# Altium PCB Main_conection.PcbDoc (part 1 of 2) (continued)
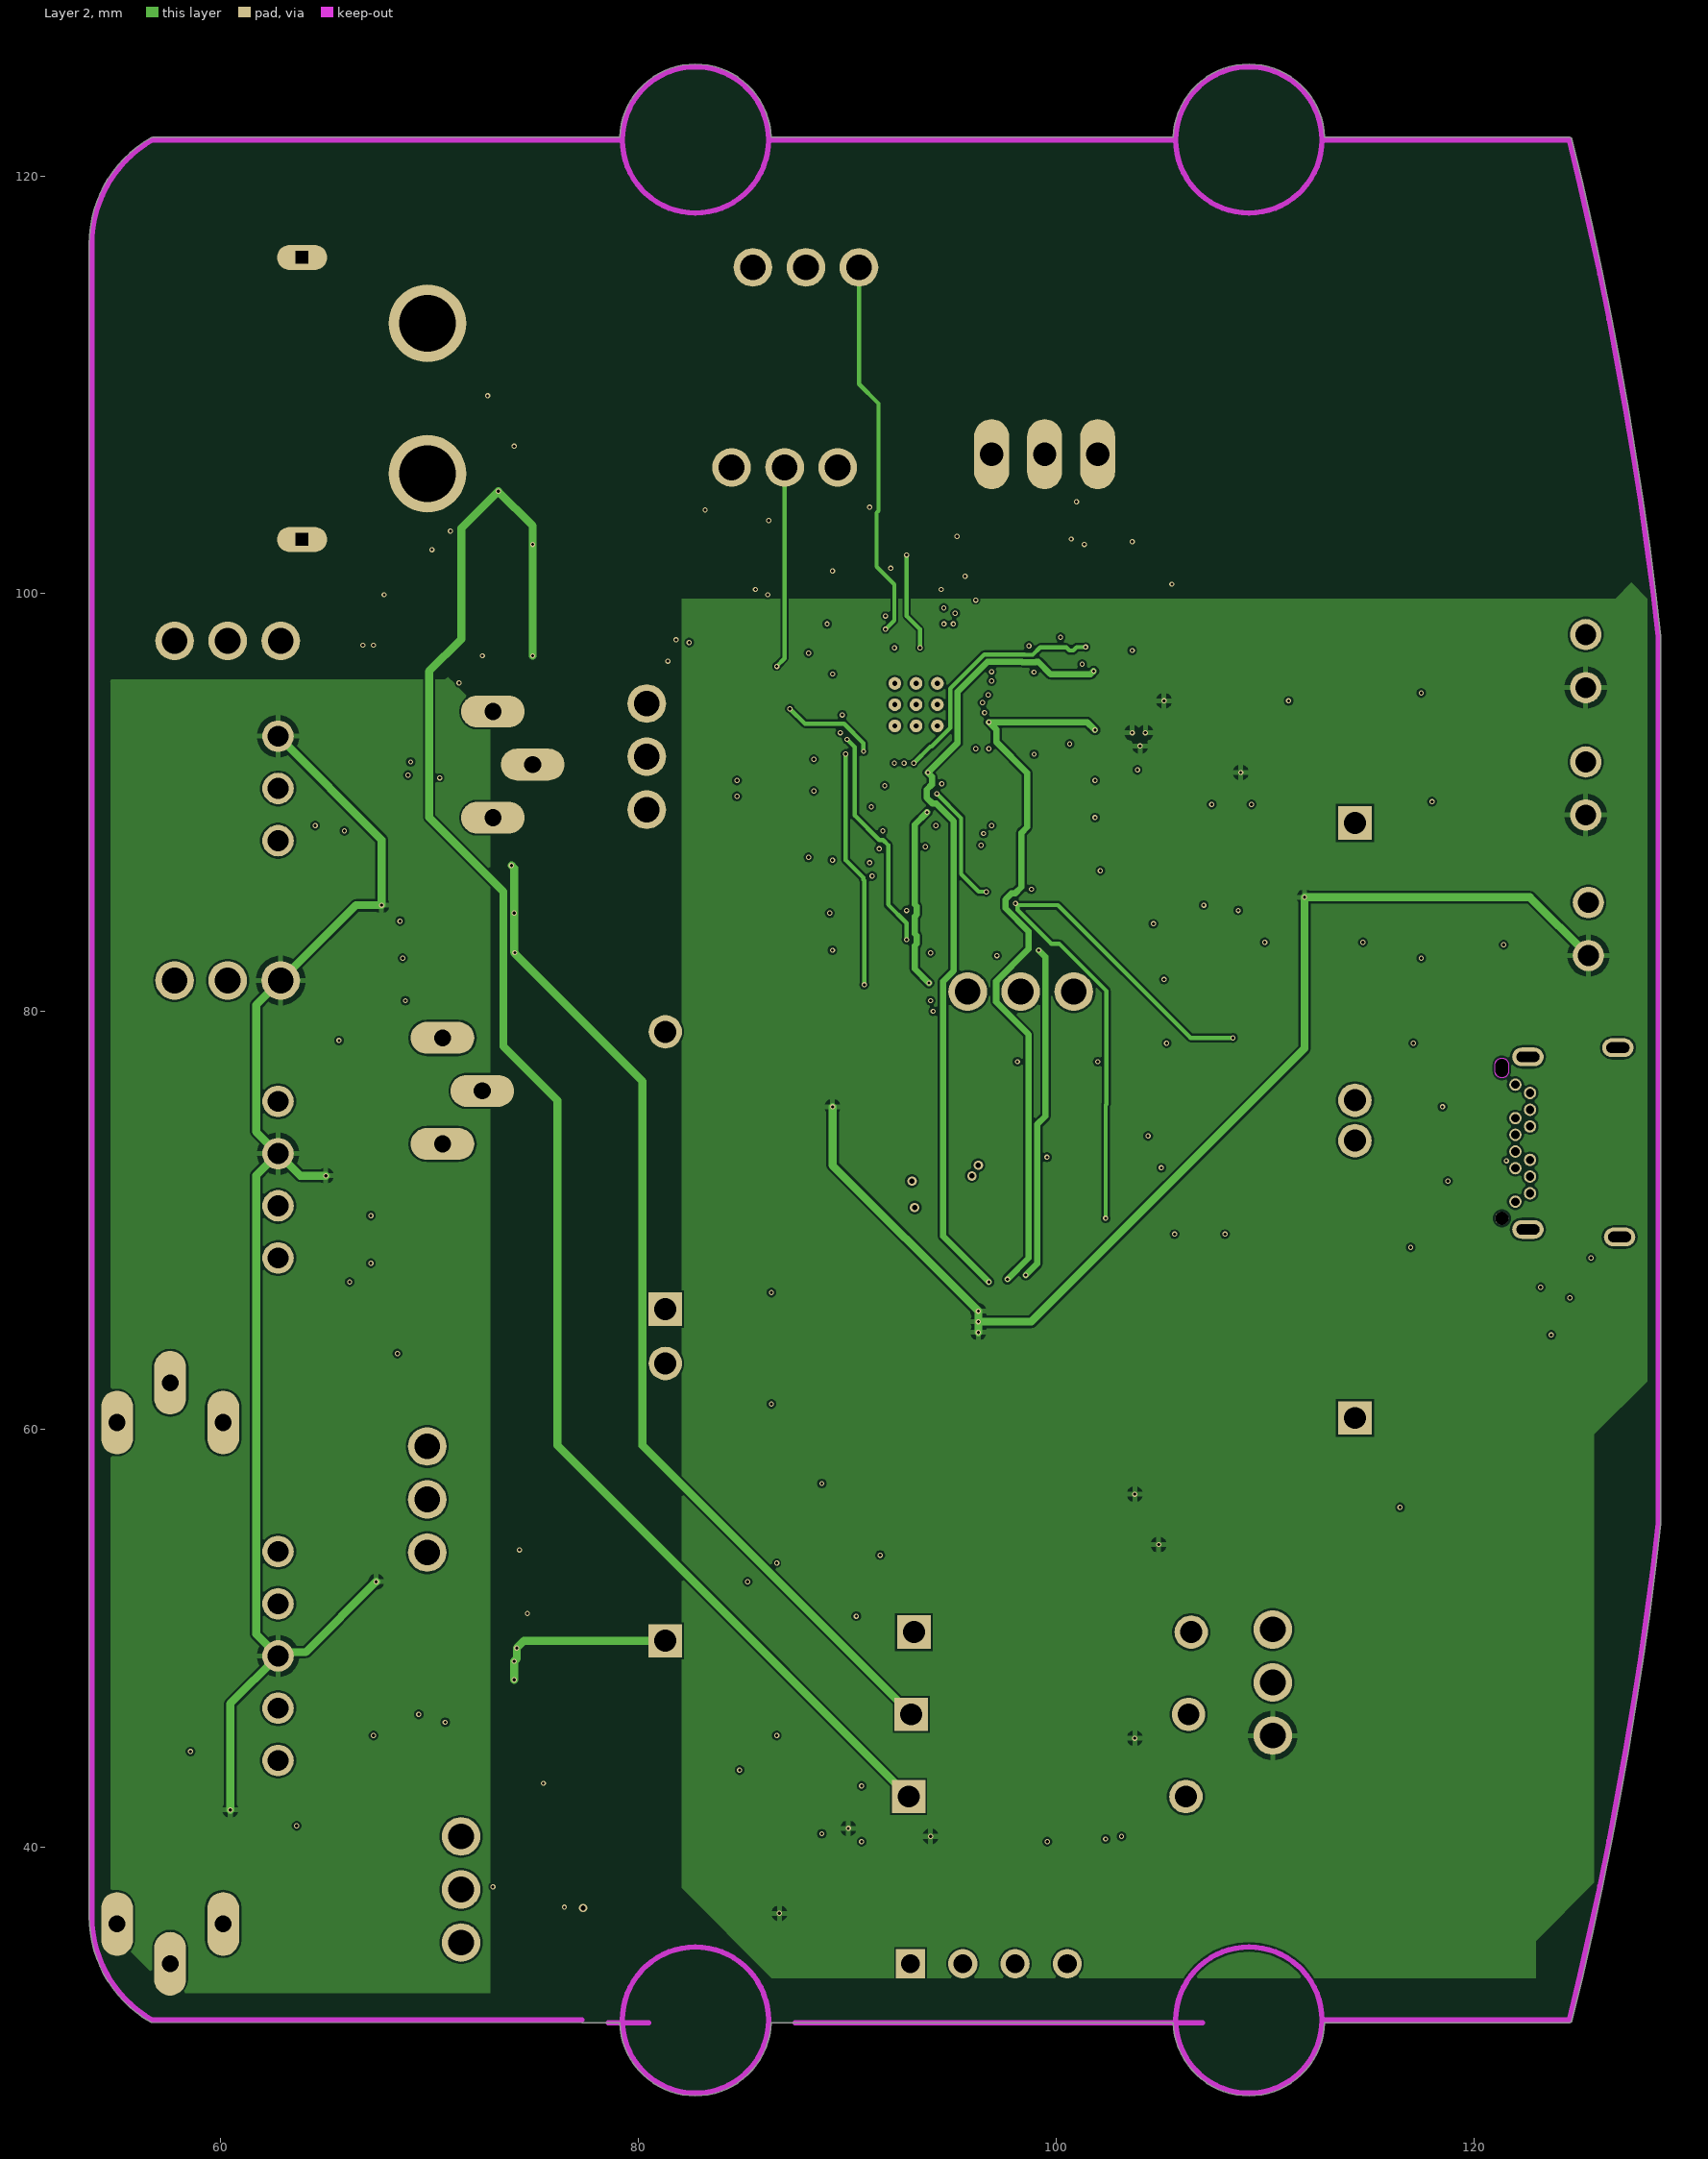
[diagram p3: Layer 2]
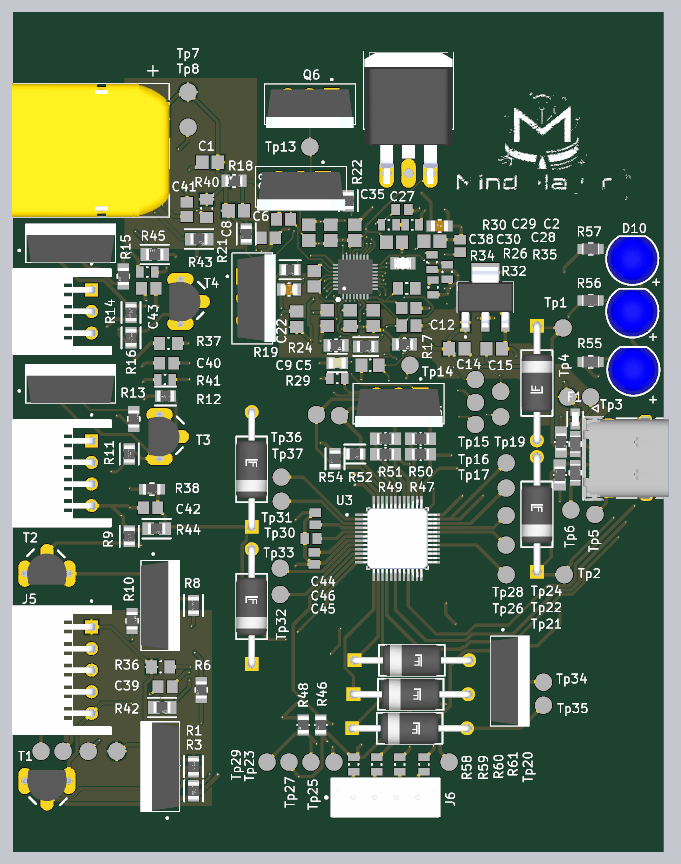
[diagram p5: 3D render of the assembled board from above, using the file's embedded part models]

## Layer stack, top to bottom
Top Solder: solder mask 0.0127, Solder Resist, Dk 3.8
Top Layer: signal copper 0.035
Dielectric 2: prepreg 0.2, 7628, Dk 4.6
Layer 1: signal copper 0.0175
Dielectric 1: dielectric 1.065, FR-4, Dk 4.5
Layer 2: signal copper 0.0175
Dielectric 3: prepreg 0.2, 7628, Dk 4.6
Bottom Layer: signal copper 0.035
Bottom Solder: solder mask 0.0127, Solder Resist, Dk 3.8

## Board outline
56.659,31.612 77.291,31.595 79.096,31.595 ccw(c82.721,31.722) 86.346,31.595 105.596,31.595 ccw(c109.221,31.722) 112.846,31.595 124.565,31.595 ccw(c124.565,31.722) 124.689,31.692 ccw(c-58.279,76.722) 128.948,55.483 128.949,55.498 128.949,97.947 128.948,97.961 ccw(c-58.279,76.722) 124.689,121.753 ccw(c124.565,121.722) 124.565,121.85 112.846,121.85 ccw(c109.221,121.722) 105.596,121.85 86.346,121.85 ccw(c82.721,121.722) 79.096,121.85 77.291,121.85 56.721,121.85 56.658,121.833 ccw(c59.566,116.732) 53.694,116.732 53.694,36.698 ccw(c59.54,36.698)

## Design rules (kind name [scope] priority, off if disabled: settings)
Clearance [All] p1: gap=0.1 ignorepadtopadclearanceinfootprint=FALSE
HoleSize [All] p1: absolutevalues=TRUE maxlimit=6.33 minlimit=0.025 maxpercent=80.000 minpercent=20.000
HoleToHoleClearance [All] p1: gap=0.2 allowstackedmicrovias=TRUE
MinimumSolderMaskSliver [All] p1: minsoldermaskwidth=0.1
PolygonConnect [All] p1: connectstyle=Relief reliefconductorwidth=0.254 reliefentries=4 polygonreliefangle="90 Angle" airgapwidth=0.254
RoutingVias [All] p1: holewidth=0.2 width=0.5 viastyle="Through Hole" minholewidth=0.15 minwidth=0.25 maxholewidth=0.15 maxwidth=0.25
SilkToSilkClearance [All] p1: silktosilkclearance=0.15
SilkToSolderMaskClearance [IsPad] p1: minsilkscreentomaskgap=0.15 clearancetoexposedcopper=TRUE
SolderMaskExpansion [All] p1: expansion=0.102 istentingtop=FALSE
SupplyNets "Schematic Supply Nets_4" [InNet('VBUS')] p1: voltage=0.000
SupplyNets "Schematic Supply Nets_3" [InNet('GND')] p2: voltage=0.000
SupplyNets "Schematic Supply Nets_2" [InNet('3.3V')] p3: voltage=0.000
SupplyNets "Schematic Supply Nets_1" [InNet('BAT')] p4: voltage=0.000
SupplyNets "Schematic Supply Nets" [InNet('VSYS')] p5: voltage=0.000
UnRoutedNet [All] p1: checkbadconnections=TRUE
Width [All] p1: maxlimit=1816.048 minlimit=0.102 preferedwidth=0.102
24 further rules are at their usual default settings.

## Classes and differential pairs
component class U_Power: C1 C2 C3 C5 C6 C7 C8 C9 C10 C11 C12 C13 C14 C15 C16 C17 C18 C19 C20 C21 C22 C23 C24 C25 C26 C27 C28 C29 C30 C31 C32 C33 C34 C35 C36 C37 C38 L1 Q5 Q6 Q7 Q8 Q9 R17 R18 R19 R20 R21 R22 R23 R24 R25 R26 R27 R28 R29 R30 R31 R32 R33 R34 R35 S Tp13 Tp14 Tp15 Tp16 Tp17 Tp18 Tp19 U1 U2
component class U_Microcontroller: C39 C40 C41 C42 C43 C44 C45 C46 D3 D4 D5 D6 D7 D8 D9 D10 J6 Q10 R36 R37 R38 R39 R40 R41 R42 R43 R44 R45 R46 R47 R48 R49 R50 R51 R52 R53 R54 R55 R56 R57 R58 R59 R60 R61 Tp20 Tp21 Tp22 Tp23 Tp24 Tp25 Tp26 Tp27 Tp28 Tp29 Tp30 Tp31 Tp32 Tp33 Tp34 Tp35 Tp36 Tp37 U3
component class U_Connectors_U_B: D1 D2 F1 J1 J2 J3 J4 J5 Q1 Q2 Q3 Q4 R1 R2 R3 R4 R5 R6 R7 R8 R9 R10 R11 R12 R13 R14 R15 R16 T1 T2 T3 T4 Tp1 Tp2 Tp3 Tp4 Tp5 Tp6 Tp7 Tp8 Tp9 Tp10 Tp11 Tp12

## Components (designator, comment, footprint, x,y, rotation, side; value= is the part's Value field where it differs from the comment)
C1 "10uf 0805" CAPC2013X140X50ML20T25#1 76.454,107.95 r0 top
C2 "1uf 0805" FP-0805-L_2_01_0_2-W_1_25-MFG 103.038,100.584 r0 top
C3 "47nf 0805" FP-C0805C-DN-MFG 85.725,93.345 r0 bottom value="47,000 pF"
C5 "CAP 100nF 100V 0805(2012)" CAPC0805(2012)145_M 94.996,84.455 r0 top value=100nF
C6 "150pf" CAPC2013X145X48NL20T23 83.185,99.187 r180 top
C7 "150pf" CAPC2013X145X48NL20T23 84.963,101.346 r180 top
C8 "0.1uf 0805" CAPC2013X140X50ML20T25#1 79.502,102.362 r0 top
C9 "C0805C333J5JACTU" FP-C0805C-DN-MFG 91.186,84.709 r180 top value="33,000 pF"
C10 "C0805C333J5JACTU" FP-C0805C-DN-MFG 93.218,86.614 r180 bottom value="33,000 pF"
C11 "CC0805MKX5R8BB105" FP-CC0805-0_85-MFG 85.598,93.218 r180 top value="1 uF"
C12 "1uf 0805" CAPC2013X145X50NL20T20 99.482,89.027 r180 top
C13 "2.2uf 0805" CAPC2013X100X50ML20T25 88.519,94.488 r270 top
C14 "10uf 0805" CAPC2013X140X50ML20T25#2 105.04,86.36 r180 top
C15 "10uf 0805" CAPC2013X140X50ML20T25#2 109.358,86.36 r0 top
C16 "10uf 0805" CAPC2013X140X50ML20T25#2 107.072,91.567 r0 bottom
C17 "10uf 0805" CAPC2013X140X50ML20T25#2 108.712,93.599 r180 bottom
C18 "100pf 0805" CAPC2013X127X50NL20T25 99.482,91.059 r180 top
C19 "10uf 0805" CAPC2013X140X50ML20T25#2 86.36,89.789 r270 bottom
C20 "10uf 0805" CAPC2013X140X50ML20T25#2 86.487,89.789 r270 top
C21 "10uf 0805" CAPC2013X140X50ML20T25#2 90.043,89.916 r270 bottom
C22 "10uf 0805" CAPC2013X140X50ML20T25#2 90.043,89.916 r270 top
C23 "10uf 0805" CAPC2013X140X50ML20T25#2 92.71,89.916 r270 bottom
C24 "10uf 0805" CAPC2013X140X50ML20T25#2 92.71,89.916 r270 top
C25 "10uf 0805" CAPC2013X140X50ML20T25#2 95.377,89.916 r270 bottom
C26 "10uf 0805" CAPC2013X140X50ML20T25#2 95.377,89.916 r270 top
C27 "15pf 0805" CAPC2013X94X50LL20T25 98.679,102.489 r180 top
C28 "33pf 0805" CAPC2013X145X48LL20T23 105.41,98.261 r270 top
C29 "680pf 0805" CAPC0805(2012)145_L 99.863,100.711 r180 top value=680pF
C30 "1800pf 0805" CAPC2013X145X48ML20T23 102.149,98.806 r180 top
C31 "10uf 0805" CAPC2013X140X50ML20T25#3 87.884,99.822 r270 top
C32 "10uf 0805" CAPC2013X140X50ML20T25#2 87.884,99.822 r270 bottom
C33 "10uf 0805" CAPC2013X140X50ML20T25#3 90.424,99.822 r270 top
C34 "10uf 0805" CAPC2013X140X50ML20T25#2 90.551,99.695 r270 bottom
C35 "10uf 0805" CAPC2013X140X50ML20T25#3 93.218,99.822 r270 top
C36 "10uf 0805" CAPC2013X140X50ML20T25#2 93.218,99.695 r270 bottom
C37 "10uf 0805" CAPC2013X140X50ML20T25#2 97.917,98.679 r180 bottom
C38 "10uf 0805" CAPC2013X140X50ML20T25#3 97.79,98.679 r180 top
C39 "10uf 0805" CAPC2013X145X50NL20T20 71.247,47.244 r0 top
C40 "10uf 0805" CAPC2013X145X50NL20T20 71.422,84.709 r0 top
C41 "10uf 0805" CAPC2013X145X50NL20T20 73.787,102.489 r90 top
C42 "10uf 0805" CAPC2013X145X50NL20T20 69.575,67.945 r0 top
C43 "10uf 0805" CAPC2013X145X50NL20T20 69.362,93.345 r0 top
C44 "10uf" CAPC2013X145X50LL20T25 88.646,66.675 r270 top
C45 "10uf" CAPC2013X145X50LL20T25 88.519,62.103 r90 top
C46 "10uf" CAPC2013X145X50LL20T25 88.138,64.389 r0 top
D1 "P6KE6.8A" FP-P6KE-MFG 114.3,82.389 r270 top
D2 "P6KE6.8A" FP-P6KE-MFG 114.3,67.183 r90 top
D3 "P6KE6.8A" FP-P6KE-MFG 99.822,50.292 r0 top
D4 "P6KE6.8A" FP-P6KE-MFG 99.695,46.355 r0 top
D5 "P6KE6.8A" FP-P6KE-MFG 81.28,72.39 r90 top
D6 "P6KE6.8A" FP-P6KE-MFG 81.28,56.515 r90 top
D7 "P6KE6.8A" FP-P6KE-MFG 99.568,42.418 r0 top
D8 "15400594F3590" WL-TIRC_5mm 125.476,83.947 r90 top
D9 "15400594F3590" WL-TIRC_5mm 125.349,90.678 r90 top
D10 "15400594F3590" WL-TIRC_5mm 125.349,96.774 r90 top
F1 "F0603G0R05FNTR" FP-F0603G-MFG 118.745,78.232 r270 top value=3.4Ω
J1 "2171830001" MOLEX_2171830001 128.922,73.698 r90 top locked
J2 "S3B-XH-A" JST_S3B-XH-A 57.038,90.678 r270 top
J3 "XT60PW-M" AMASS_XT60PW-M 63.888,109.347 r270 top
J4 "S4B-XH-A" JST_S4B-XH-A 57.038,71.949 r270 top
J5 "S5B-XH-A" JST_S5B-XH-A 57.038,49.149 r270 top
J6 "B4B-EH-TS(LF)(SN)" FP-B4B-EH-TS_LF_SN-MFG 96.774,34.417 r0 top
L1 "LQM21PN2R2MCHD" FP-LQM21PN_CH-IPC_C 85.725,95.504 r0 top
Q1 "IRF9540N Q6" TO254P1041X444X1930-3 70.691,37.973 r90 top
Q2 "IRF9540N Q6" TO254P1041X444X1930-3 70.691,56.642 r270 top
Q3 "IRF9540N Q6" TO254P1041X444X1930-3 60.325,82.296 r0 top
Q4 "IRF9540N Q6" TO254P1041X444X1930-3 60.325,98.552 r0 top
Q5 "IRLZ44N" TO254P1054X469X1930-3 98.298,80.01 r180 top
Q6 "IRLZ44N" TO254P1054X469X1930-3 88.011,114.681 r180 top
Q7 "IRF4905" TO220BH 99.441,113.03 r0 top
Q8 "IRLZ44N" TO254P1054X469X1930-3 86.995,105.105 r180 top
Q9 "IRLZ44N" TO254P1054X469X1930-3 81.331,92.202 r270 top
Q10 "IRF9540N Q6" TO254P1041X444X1930-3 111.173,47.879 r270 top
R1 "CRGCQ0805J10K" FP-CRGCQ0805-IPC_C 74.549,37.973 r90 top value=10KΩ
R2 "0" FP-HCJ0805-MFG 117.094,75.565 r270 top
R3 "CRGCQ0805J10K" FP-CRGCQ0805-IPC_C 74.549,35.179 r270 top value=10KΩ
R4 "0" FP-HCJ0805-MFG 116.967,71.755 r90 top
R5 "AC0805JR-075K1L" FP-AC0805-MFG 118.745,75.311 r270 top value=5.1KΩ
R6 "RMCF0805JG47R0" FP-RMCF0805-MFG 75.438,46.863 r270 top
R7 "AC0805JR-075K1L" FP-AC0805-MFG 118.745,72.009 r90 top value=5.1KΩ
R8 "CRGCQ0805J10K" FP-CRGCQ0805-IPC_C 74.549,56.642 r270 top value=10KΩ
R9 "CRGCQ0805J10K" FP-CRGCQ0805-IPC_C 67.112,64.643 r270 top value=10KΩ
R10 "RMCF0805JG47R0" FP-RMCF0805-MFG 67.437,54.864 r90 top
R11 "CRGCQ0805J10K" FP-CRGCQ0805-IPC_C 67.112,74.168 r270 top value=10KΩ
R12 "CRGCQ0805J10K" FP-CRGCQ0805-IPC_C 71.3,80.899 r0 top value=10KΩ
R13 "RMCF0805JG47R0" FP-RMCF0805-MFG 67.635,78.232 r90 top
R14 "CRGCQ0805J10K" FP-CRGCQ0805-IPC_C 67.31,90.551 r270 top value=10KΩ
R15 "RMCF0805JG47R0" FP-RMCF0805-MFG 66.421,94.742 r270 top
R16 "CRGCQ0805J10K" FP-CRGCQ0805-IPC_C 67.31,87.63 r90 top value=10KΩ
R17 "0.01ohm C46634450" FP-CRCW0805-HPe3-MFG 98.974,86.868 r180 top
R18 "0.01ohm C46634450" FP-CRCW0805-HPe3-MFG 79.248,105.791 r0 top
R19 "4.99ohm 0805" FP-CRCW0805-HPe3-MFG 91.059,86.741 r180 top
R20 "4.99ohm 0805" FP-CRCW0805-HPe3-MFG 96.266,86.868 r0 bottom
R21 "RNCP0805FTD10R0" FP-RNCP0805-IPC_C 80.645,99.654 r90 top
R22 "RNCP0805FTD10R0" FP-RNCP0805-IPC_C 92.456,103.505 r90 top
R23 "RMCF0805FG10R0" FP-RMCF0805-IPC_B 88.392,94.464 r270 bottom
R24 "10ohm 0805" FP-RMCF0805-IPC_B 94.488,86.614 r0 top
R25 "10K 5% 0805(2012)" RESC0805(2012)_L 97.831,95.797 r270 bottom value="10000.00 Ohm"
R26 "CRCW0805402KFKEC" FP-CRCW0805-e3-IPC_B 98.782,96.266 r180 top
R27 "137k 0805" RESC2013X60X35ML10T20 99.228,93.345 r180 top
R28 "40.2k 0805" FP-ESR10-MFG 101.514,96.774 r0 bottom
R29 "10K 5% 0805" RESC0805(2012)_L 91.186,82.931 r0 top value="10000.00 Ohm"
R30 "10K 5% 0805" RESC0805(2012)_L 97.155,100.711 r180 top value="10000.00 Ohm"
R31 "0 ohm 0805" FP-HCJ0805-MFG 98.974,93.345 r180 bottom
R32 "10K 5% 0805" RESC0805(2012)_L 102.276,93.472 r270 top value="10000.00 Ohm"
R33 "10K 5% 0805" RESC0805(2012)_L 100.496,95.123 r0 bottom value="10000.00 Ohm"
R34 "10K 5% 0805" RESC0805(2012)_L 103.927,95.25 r270 top value="10000.00 Ohm"
R35 "10K 5% 0805" RESC0805(2012)_L 102.149,96.393 r270 top value="10000.00 Ohm"
R36 "5K36 1% 0805" RESC0805(2012)_M 70.739,49.53 r180 top value="5360.00 Ohm"
R37 "5K36 1% 0805" RESC0805(2012)_M 71.647,86.995 r180 top value="5360.00 Ohm"
R38 "3.57k 0805" FP-RT0805-MFG 69.723,70.104 r180 top value=357KΩ
R39 "1.2k 0805" FP-RMCF0805-IPC_A 70.064,97.282 r180 top
R40 "5K36 1% 0805" RESC0805(2012)_M 76.073,102.616 r90 top value="5360.00 Ohm"
R41 "3.6k 0805" RESC0805(2012)_L 71.247,82.804 r0 top value="3600.00 Ohm"
R42 "1.2k 0805" FP-RMCF0805-IPC_A 70.906,44.831 r0 top
R43 "1.2k 0805" FP-RMCF0805-IPC_A 75.184,99.06 r0 top
R44 "1.2k 0805" FP-RMCF0805-IPC_A 70.276,65.532 r0 top
R45 "3.6k 0805" RESC0805(2012)_L 69.187,95.25 r0 top value="3600.00 Ohm"
R46 "10k ohm 0805" FP-MCU0805-IPC_C 89.281,42.799 r270 top
R47 "0" FP-HCJ0805-MFG 100.838,74.168 r0 top
R48 "10k ohm 0805" FP-MCU0805-IPC_C 87.249,42.799 r270 top
R49 "0" FP-HCJ0805-MFG 96.774,74.168 r0 top
R50 "0" FP-HCJ0805-MFG 100.838,75.925 r180 top
R51 "0" FP-HCJ0805-MFG 96.774,75.925 r180 top
R52 "RNCP0805FTD12K4" FP-RNCP0805-IPC_C 93.218,74.168 r180 top
R53 "10k ohm 0805" FP-MCU0805-IPC_C 106.426,55.372 r270 bottom
R54 "RNCP0805FTD12K4" FP-RNCP0805-IPC_C 90.932,73.619 r90 top
R55 "AC0805FR-07220RL" FP-AC0805-MFG 120.523,84.836 r0 top value=220Ω
R56 "AC0805FR-07220RL" FP-AC0805-MFG 120.523,91.948 r0 top value=220Ω
R57 "AC0805FR-07220RL" FP-AC0805-MFG 120.523,97.917 r0 top value=220Ω
R58 "10K 5% 0805(2012)" RESC0805(2012)_L 93.091,38.227 r90 top value="10000.00 Ohm"
R59 "10K 5% 0805(2012)" RESC0805(2012)_L 95.758,38.227 r90 top value="10000.00 Ohm"
R60 "10K 5% 0805(2012)" RESC0805(2012)_L 98.425,38.227 r90 top value="10000.00 Ohm"
R61 "10K 5% 0805(2012)" RESC0805(2012)_L 101.219,38.227 r270 top value="10000.00 Ohm"
S "47nf 0805" FP-C0805C-DN-MFG 85.598,98.044 r90 bottom value="47,000 pF" (schematic designator C4)
T1 "2N7000" TO92 57.572,36.322 r180 top
T2 "2N7000" TO92 57.572,60.325 r0 top
T3 "2N7000" TO92 70.612,76.2 r270 top
T4 "2N7000" TO92 73.025,91.821 r270 top
Tp1 "TP" TP 117.348,88.773 r0 top
Tp2 "TP" TP 117.475,60.198 r0 top
Tp3 "TP" TP 120.523,80.772 r0 top
Tp4 "TP" TP 117.856,80.772 r0 top
Tp5 "TP" TP 121.031,67.183 r0 top
Tp6 "TP" TP 118.237,67.691 r0 top
Tp7 "TP" TP 73.914,116.078 r0 top
Tp8 "TP" TP 73.914,112.014 r0 top
Tp9 "TP" TP 65.659,39.751 r0 top
Tp10 "TP" TP 62.357,39.751 r90 top
Tp11 "TP" TP 59.436,39.751 r90 top
Tp12 "TP" TP 56.896,39.751 r90 top
Tp13 "TP" TP 88.011,109.728 r90 top
Tp14 "TP" TP 99.609,84.455 r90 top
Tp15 "TP" TP 107.188,82.804 r90 top
Tp16 "TP" TP 107.188,80.137 r90 top
Tp17 "TP" TP 107.188,77.597 r90 top
Tp18 "TP" TP 110.109,78.486 r90 top
Tp19 "TP" TP 110.109,81.407 r90 top
Tp20 "TP" TP 104.14,38.502 r90 top
Tp21 "TP" TP 110.744,60.198 r90 top
Tp22 "TP" TP 110.744,63.627 r90 top
Tp23 "TP" TP 90.805,38.502 r90 top
Tp24 "TP" TP 110.744,67.056 r90 top
Tp25 "TP" TP 88.138,38.502 r90 top
Tp26 "TP" TP 110.744,70.231 r90 top
Tp27 "TP" TP 85.598,38.502 r90 top
Tp28 "TP" TP 110.744,73.152 r90 top
Tp29 "TP" TP 83.058,38.502 r90 top
Tp30 "TP" TP 84.709,68.707 r90 top
Tp31 "TP" TP 84.709,71.501 r90 top
Tp32 "TP" TP 84.582,57.912 r90 top
Tp33 "TP" TP 84.582,60.96 r90 top
Tp34 "TP" TP 115.062,47.752 r90 top
Tp35 "TP" TP 115.062,45.085 r90 top
Tp36 "TP" TP 88.773,78.74 r90 top
Tp37 "TP" TP 91.44,78.613 r90 top
U1 "BQ25703ARSNR" BQ25703A_QFN-32 93.286,94.688 r90 top
U2 "LM2936MP-5.0" SOT230P700X180-4N 108.331,92.329 r90 top
U3 "STM32G071CBT6" QFP50P900X900X160-48N 98.171,64.389 r0 top

## Footprints (in the part's own frame and the unit in brackets; to place one, negate y for a bottom-side part, rotate by r counter-clockwise, add the part's x,y. Pads: shape width x height; smd on the part's side, far side on the other; paste and mask are expansions set on the pad)
AMASS_XT60PW-M [mm]
  rect 3.716x3.716 / inner round 3.716 / far side rect 3.716x3.716 hole 2.7 mask+0.102: 1(-3.6,6)
  round 3.716 hole 2.7 mask+0.102: 2(3.6,6)
  oval 1.2x2.4 hole 0.6 square mask+0.102: SH1(-6.75,0) SH2(6.75,0)
  silkscreen extent -9.8,-10.35 7.75,7.85, body extent -7.75,-10.35 7.75,7.85, height 8.4
BQ25703A_QFN-32 [mm]
  oval 1x0.2 smd mask-2539.97: 1(-2.1,1.4) 2(-2.1,1) 3(-2.1,0.6) 4(-2.1,0.2) 5(-2.1,-0.2) 6(-2.1,-0.6) 7(-2.1,-1) 8(-2.1,-1.4) 17(2.1,-1.4) 18(2.1,-1) 19(2.1,-0.6) 20(2.1,-0.2) 21(2.1,0.2) 22(2.1,0.6) 23(2.1,1) 24(2.1,1.4)
  oval 0.2x1 smd mask-2539.97: 9(-1.4,-2.1) 10(-1,-2.1) 11(-0.6,-2.1) 12(-0.2,-2.1) 13(0.2,-2.1) 14(0.6,-2.1) 15(1,-2.1) 16(1.4,-2.1) 25(1.4,2.1) 26(1,2.1) 27(0.6,2.1) 28(0.2,2.1) 29(-0.2,2.1) 30(-0.6,2.1) 31(-1,2.1) 32(-1.4,2.1)
  rect 2.8x2.8 smd paste-2 mask+0.05: GND(0,0)
  rect 2.8x2.8 smd far side paste-2 mask+0: GND1(0,0)
  round 0.61 hole 0.25 mask+0: P$1(-1.016,1.016) P$2(0,1.016) P$3(1.016,1.016) P$4(-1.016,-1.016) P$5(1.016,-1.016) P$6(0,-1.016) P$7(0,0) P$8(1.016,0) P$9(-1.016,0)
  silkscreen extent -2.72,1.9 -2.53,2.1, body extent -2,-2 2,2, height 0.8
CAPC0805(2012)145_L [mm] "Chip Capacitor, Body 2.0x1.2mm, Height 1.45mm, IPC High Density"
  rect 0.9x1.3 smd: 1(-0.8,0) 2(0.8,0)
  silkscreen extent -0.05,-0.58 0.05,0.58, body extent -1.1,-0.72 1.1,0.72, height 1.45
CAPC0805(2012)145_M [mm] "Chip Capacitor, Body 2.0x1.2mm, Height 1.45mm, IPC Low Density"
  rect 1.35x1.55 smd: 1(-1,0) 2(1,0)
  silkscreen extent -0.05,-0.67 0.05,0.67, body extent -1.1,-0.72 1.1,0.72, height 1.45
CAPC2013X94X50LL20T25 [mm] "Chip Capacitor, 2-Leads, Body 2.01x1.25mm, IPC High Density"
  rect 1x1.3 smd: 1(-0.725,0) 2(0.725,0)
  body extent -1.1,-0.72 1.1,0.72, height 0.94
CAPC2013X100X50ML20T25 [mm] "Chip Capacitor, 2-Leads, Body 2.00x1.25mm, IPC Low Density"
  rect 1.4x1.55 smd: 1(-0.9,0) 2(0.9,0)
  body extent -1.1,-0.72 1.1,0.72, height 1
CAPC2013X127X50NL20T25 [mm] "Chip Capacitor, 2-Leads, Body 2.01x1.25mm, IPC Medium Density"
  rect 1.3x1.4 smd: 1(-0.825,0) 2(0.825,0)
  body extent -1.1,-0.72 1.11,0.72, height 1.27
CAPC2013X140X50ML20T25#1 [mm] "Chip Capacitor, 2-Leads, Body 2.00x1.25mm, IPC Low Density"
  rect 1.5x1.55 smd: 1(-0.9,0)
  rect 1.4x1.55 smd: 2(0.9,0)
  body extent -1.1,-0.72 1.1,0.72, height 1.4
CAPC2013X140X50ML20T25#2 [mm] "Chip Capacitor, 2-Leads, Body 2.00x1.25mm, IPC Low Density"
  rect 1.4x1.55 smd: 1(-0.9,0) 2(0.9,0)
  body extent -1.1,-0.72 1.1,0.72, height 1.4
CAPC2013X140X50ML20T25#3 [mm] "Chip Capacitor, 2-Leads, Body 2.00x1.25mm, IPC Low Density"
  rect 1.4x1.55 smd: 1(-0.9,0)
  rect 1.5x1.55 smd: 2(0.9,0)
  body extent -1.1,-0.72 1.1,0.72, height 1.4
CAPC2013X145X48LL20T23 [mm] "Chip Capacitor, 2-Leads, Body 2.00x1.25mm, IPC High Density"
  rect 1.1x1.35 smd: 1(-0.725,0) 2(0.725,0)
  body extent -1.1,-0.72 1.1,0.72, height 1.45
CAPC2013X145X48ML20T23 [mm] "Chip Capacitor, 2-Leads, Body 2.00x1.25mm, IPC Low Density"
  rect 1.5x1.55 smd: 1(-0.925,0) 2(0.925,0)
  body extent -1.1,-0.72 1.1,0.72, height 1.45
CAPC2013X145X48NL20T23 [mm] "Chip Capacitor, 2-Leads, Body 2.00x1.25mm, IPC Medium Density"
  rect 1.3x1.45 smd: 1(-0.825,0) 2(0.825,0)
  body extent -1.1,-0.72 1.1,0.72, height 1.45
CAPC2013X145X50LL20T25 [mm] "Chip Capacitor, 2-Leads, Body 2.00x1.25mm, IPC High Density"
  rect 1x1.3 smd: 1(-0.7,0) 2(0.7,0)
  body extent -1.1,-0.72 1.1,0.72, height 1.45
CAPC2013X145X50NL20T20 [mm] "Chip Capacitor, 2-Leads, Body 2.00x1.25mm, IPC Medium Density"
  rect 1.25x1.45 smd: 1(-0.825,0) 2(0.825,0)
  body extent -1.1,-0.72 1.1,0.72, height 1.45
FP-0805-L_2_01_0_2-W_1_25-MFG [mm]
  rect 1x1.25 smd paste+0 mask+0: 1(-1,0) 2(1,0)
  silkscreen extent -0.13,-0.72 0.13,0.72, body extent -1.6,-0.82 1.6,0.82, height 0.25
FP-AC0805-MFG [mm]
  rect 0.9x1.2 smd paste+0 mask+0: 1(-1.05,0) 2(1.05,0)
  silkscreen extent -0.23,-0.67 0.23,0.67, body extent -1.6,-0.77 1.6,0.77, height 0.25
FP-B4B-EH-TS_LF_SN-MFG [mm]
  rect 1.4x1.4 hole 0.9 paste-2539.97 mask+0: 1(-3.75,0)
  round 1.4 hole 0.9 paste-2539.97 mask+0: 2(-1.25,0) 3(1.25,0) 4(3.75,0)
  silkscreen extent -6.97,-2.2 6.25,2.2, body extent -6.35,-2.3 6.35,2.3, height 0.25
FP-C0805C-DN-MFG [mm]
  rect 0.95x1.35 smd paste+0 mask+0: 1(-0.75,0) 2(0.75,0)
  silkscreen extent -1.1,-1.07 1.1,1.07, body extent -1,-0.63 1,0.63, height 0.88
FP-CC0805-0_85-MFG [mm]
  rect 0.95x1.4 smd paste+0 mask+0: 1(-0.925,0) 2(0.925,0)
  silkscreen extent -0.08,-0.72 0.08,0.72, body extent -1.6,-1.05 1.6,1.05, height 0.25